# Altium PCB LimeKEY-RPCM_1v0.PcbDoc (part 1 of 8)
Units mm, origin at the board's own origin, x right, y up, seen from the top; angles counter-clockwise.
Board outline 170.15 x 110.15 mm, 6 copper layers (Top, L2, L3, L4, L5, Bottom), stack 1.583 mm thick; 716 components, 436 nets, 3084 pads, 1299 vias.
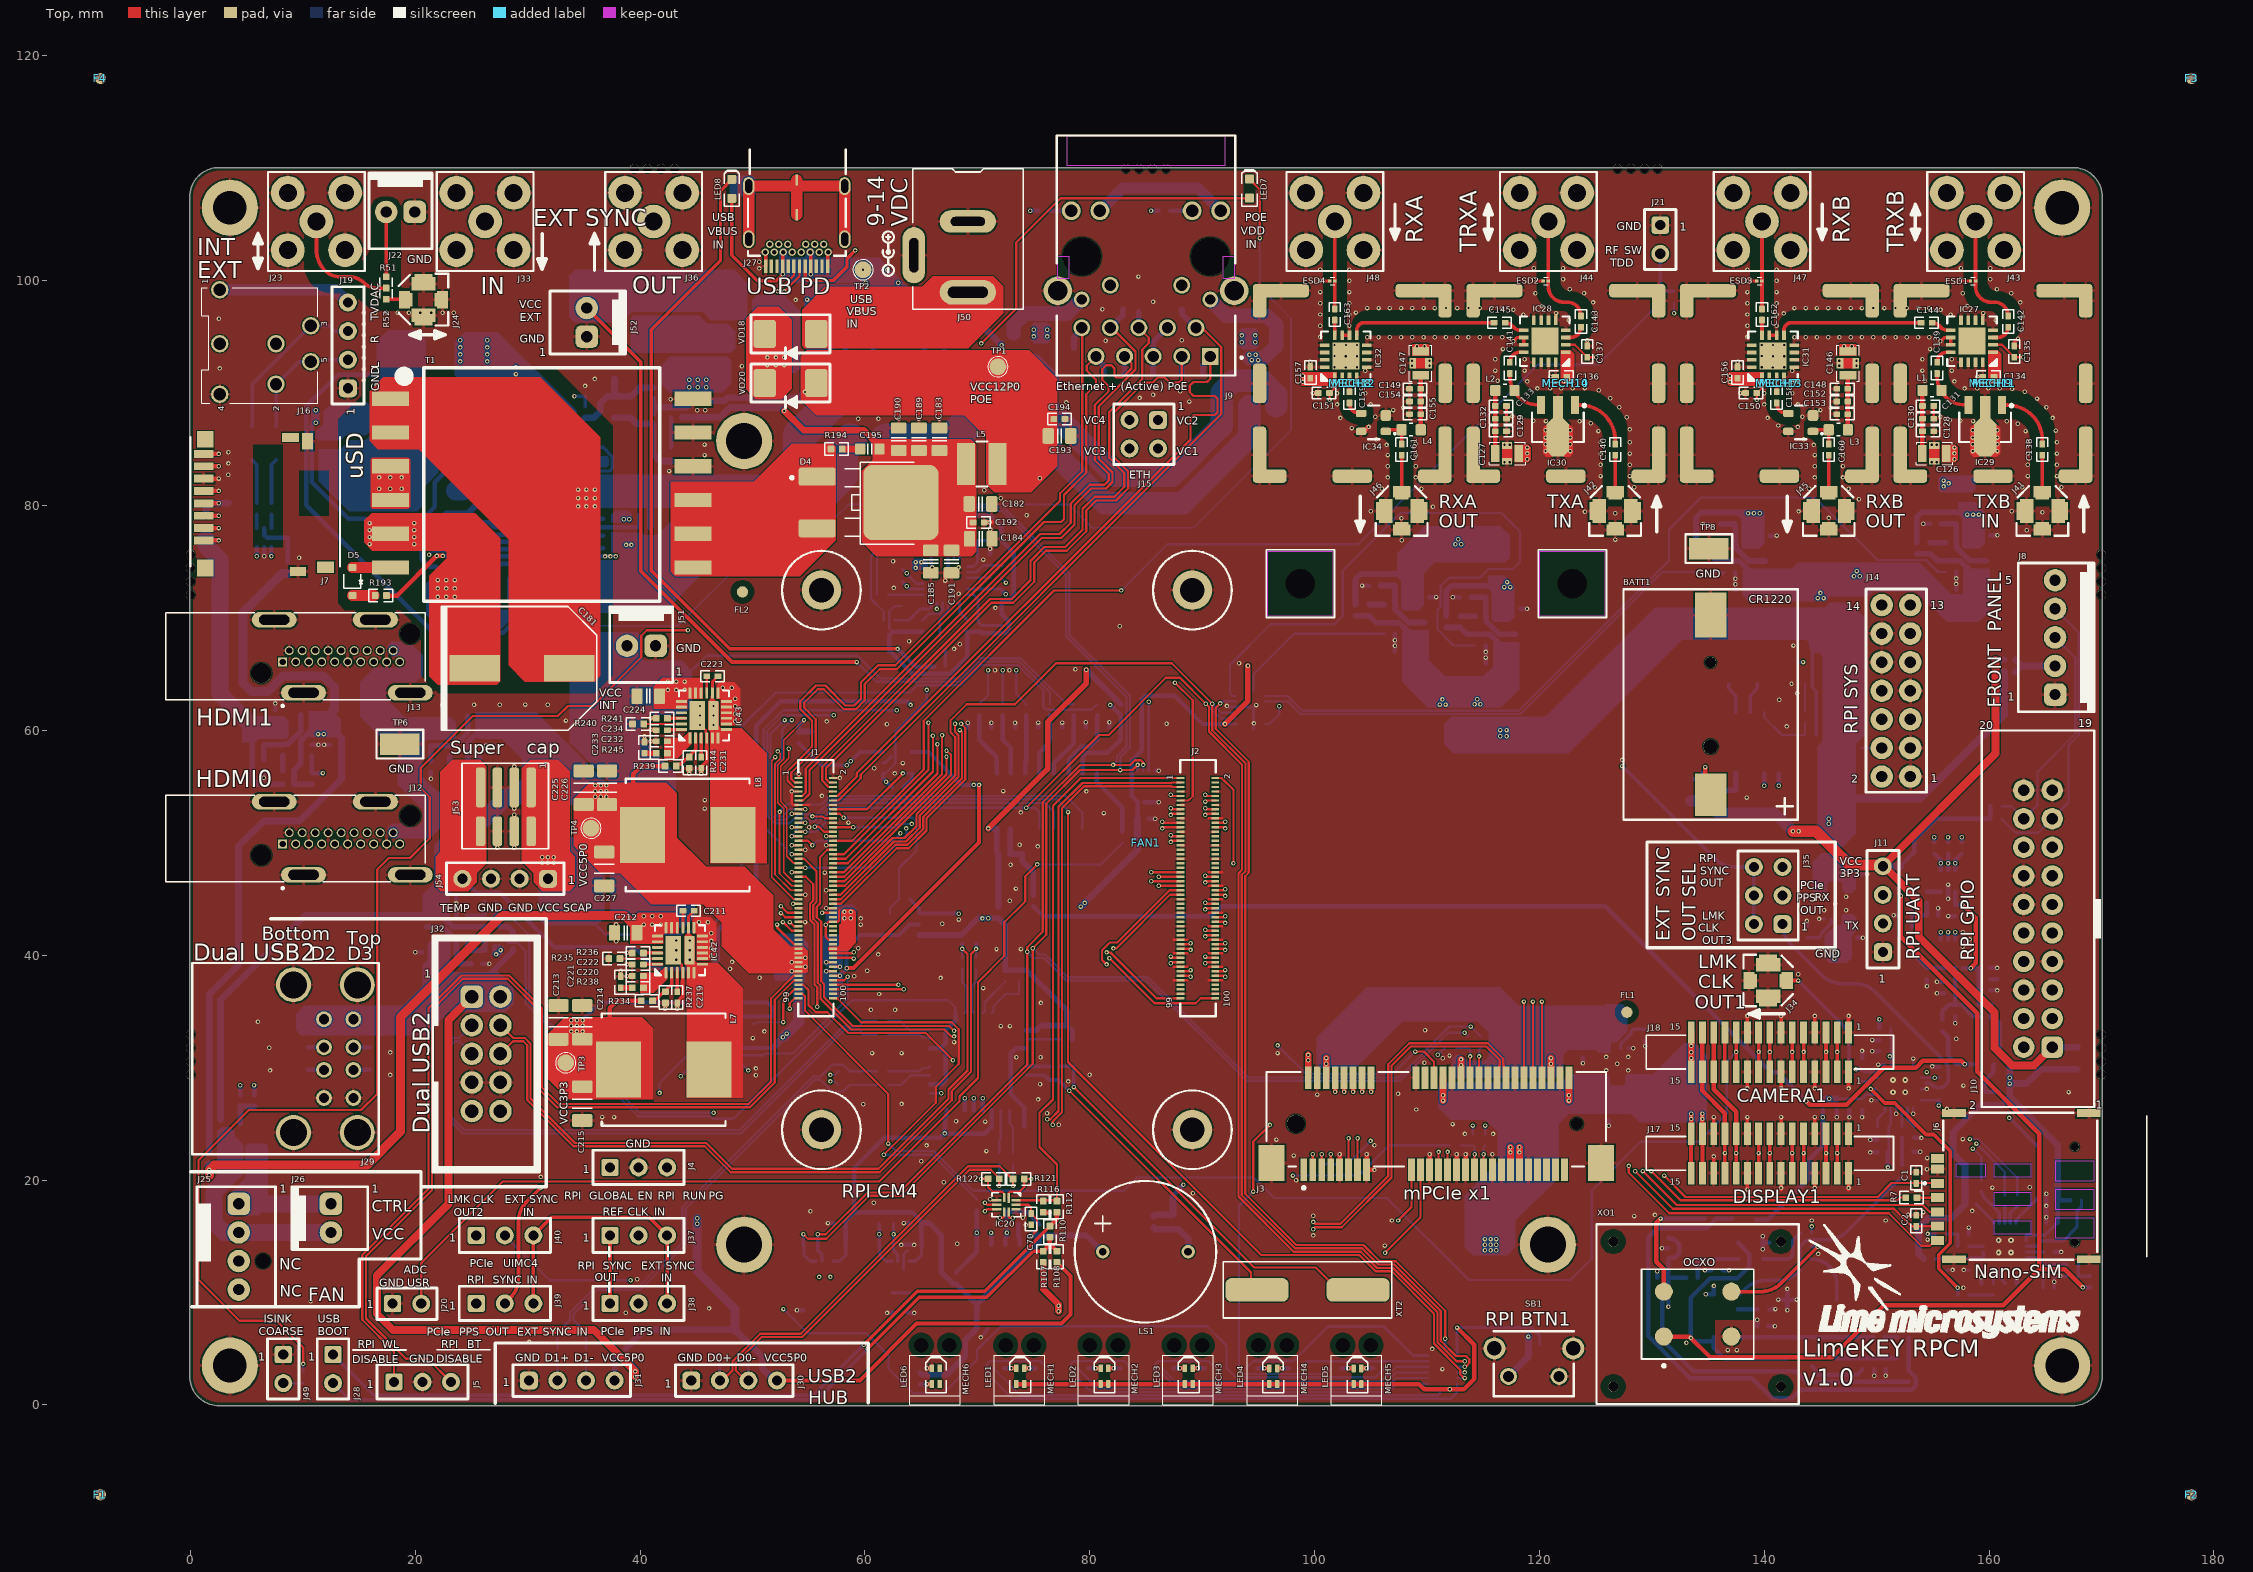
[diagram p0: Top view]
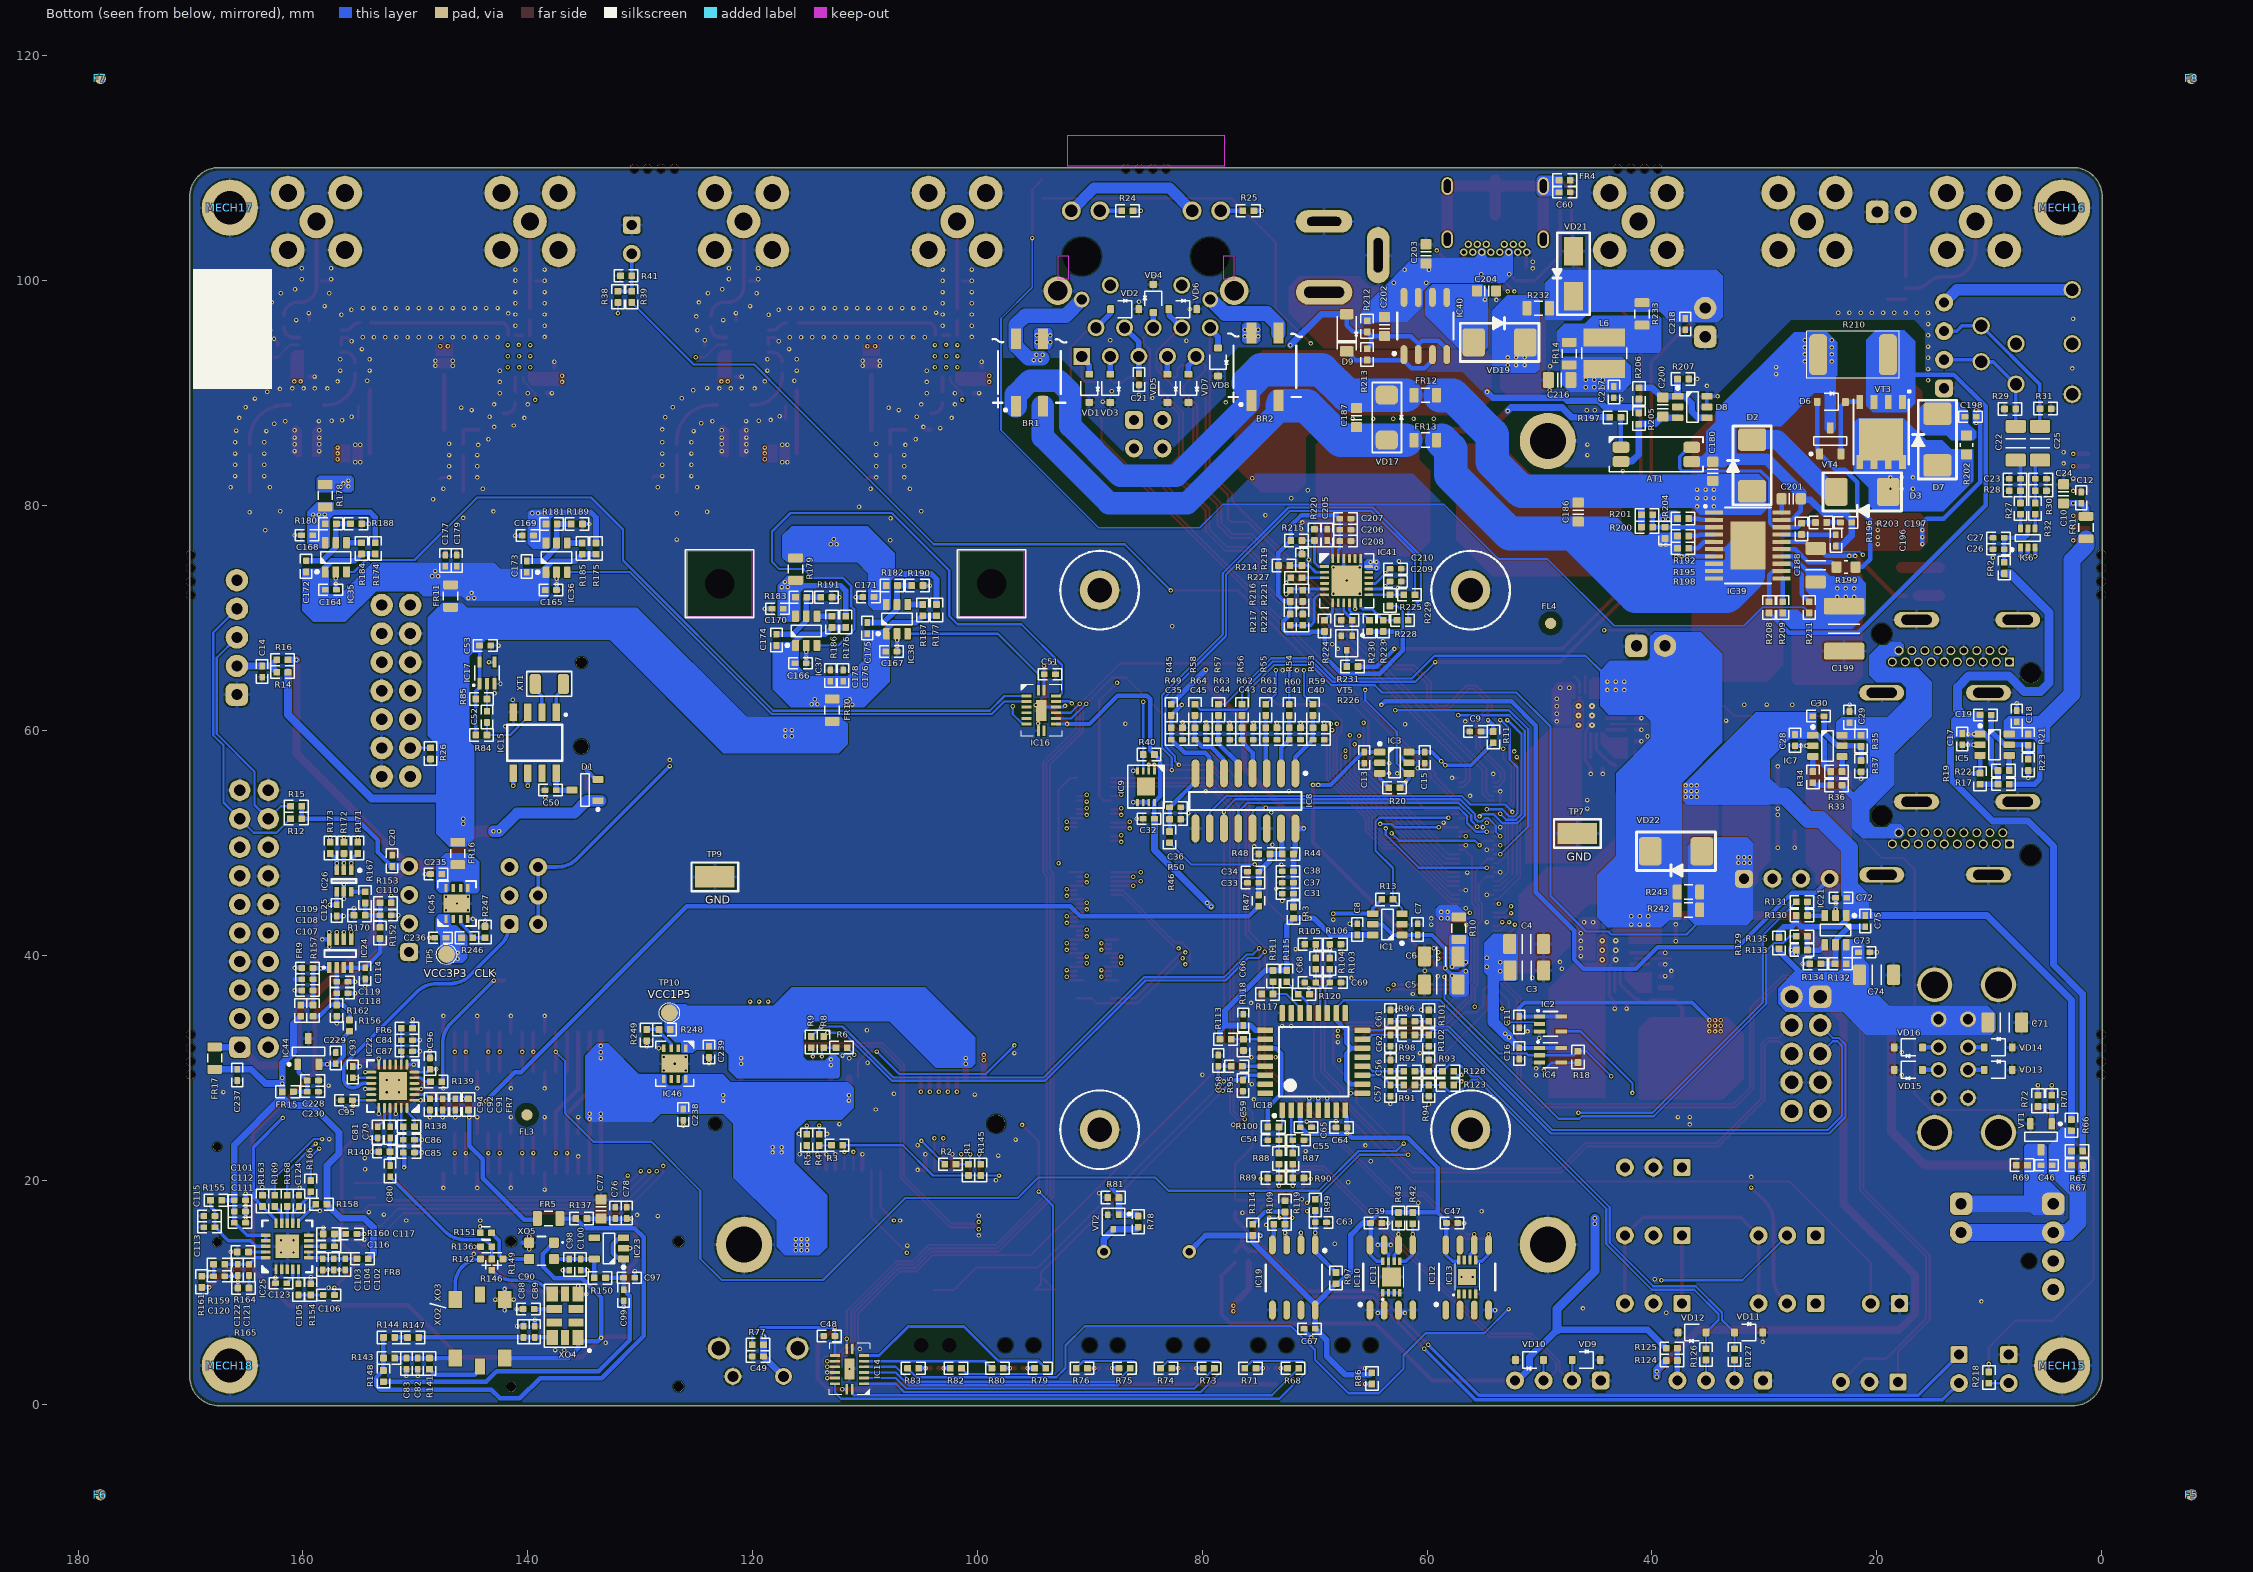
[diagram p1: Bottom view, seen from below]
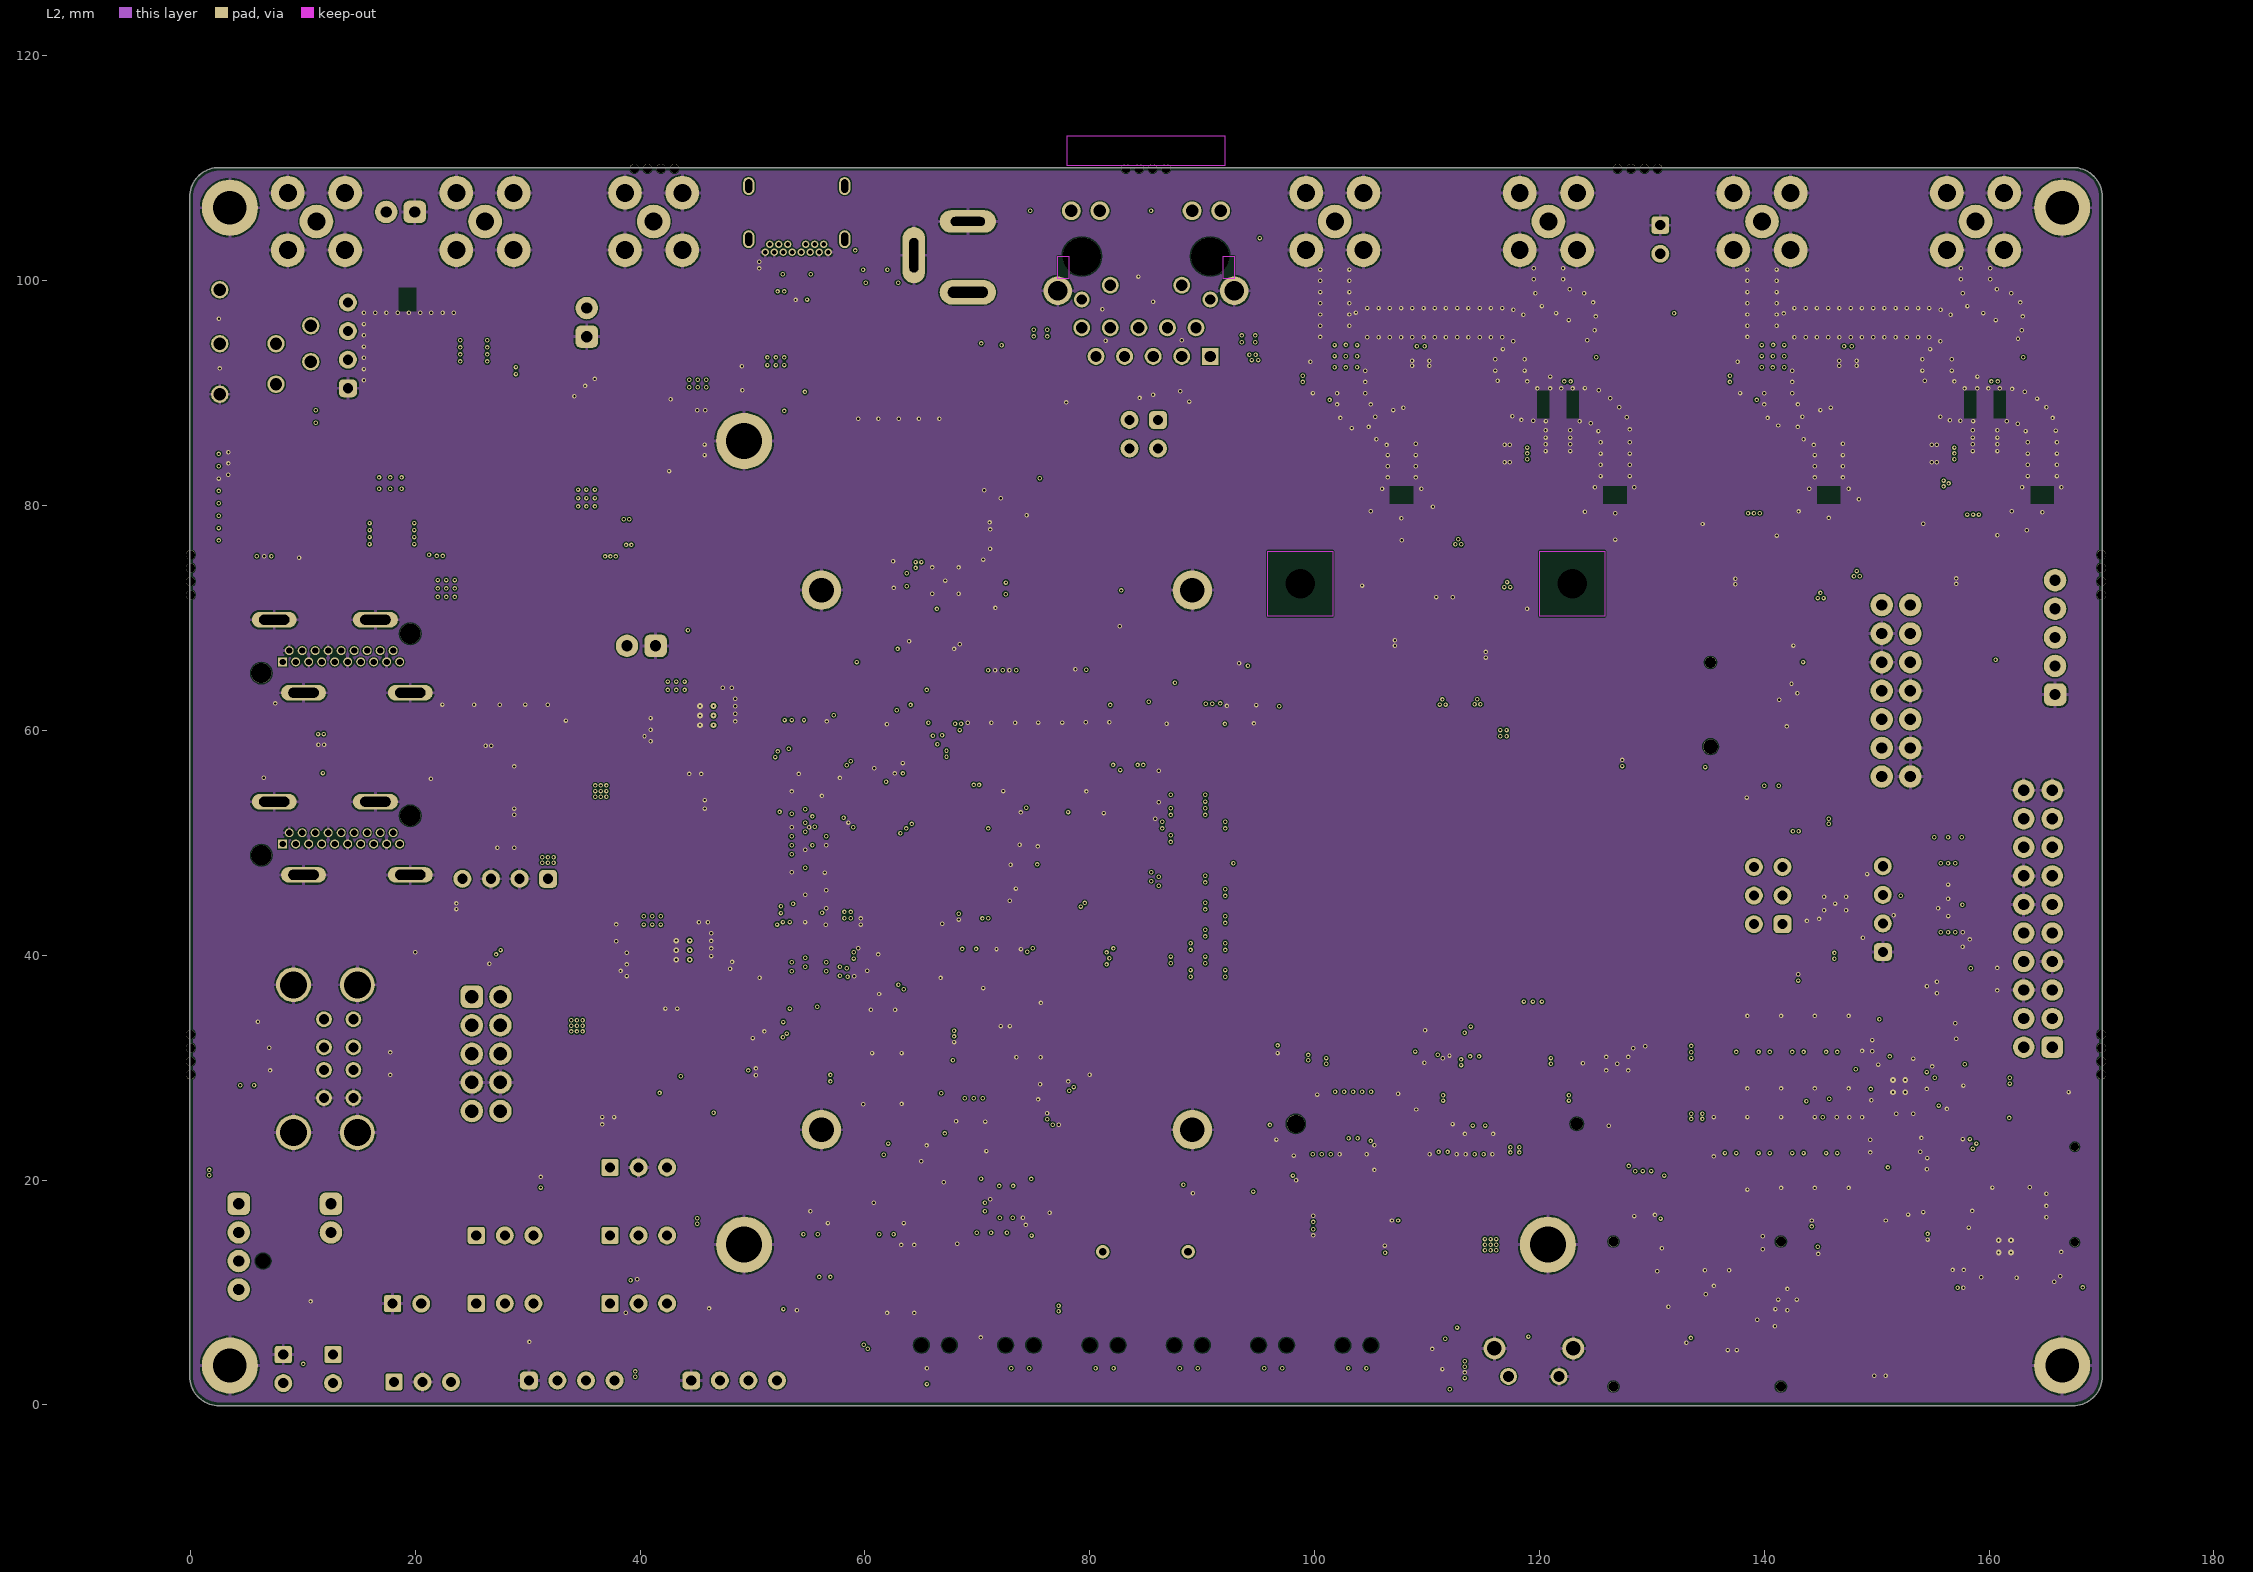
[diagram p2: L2]
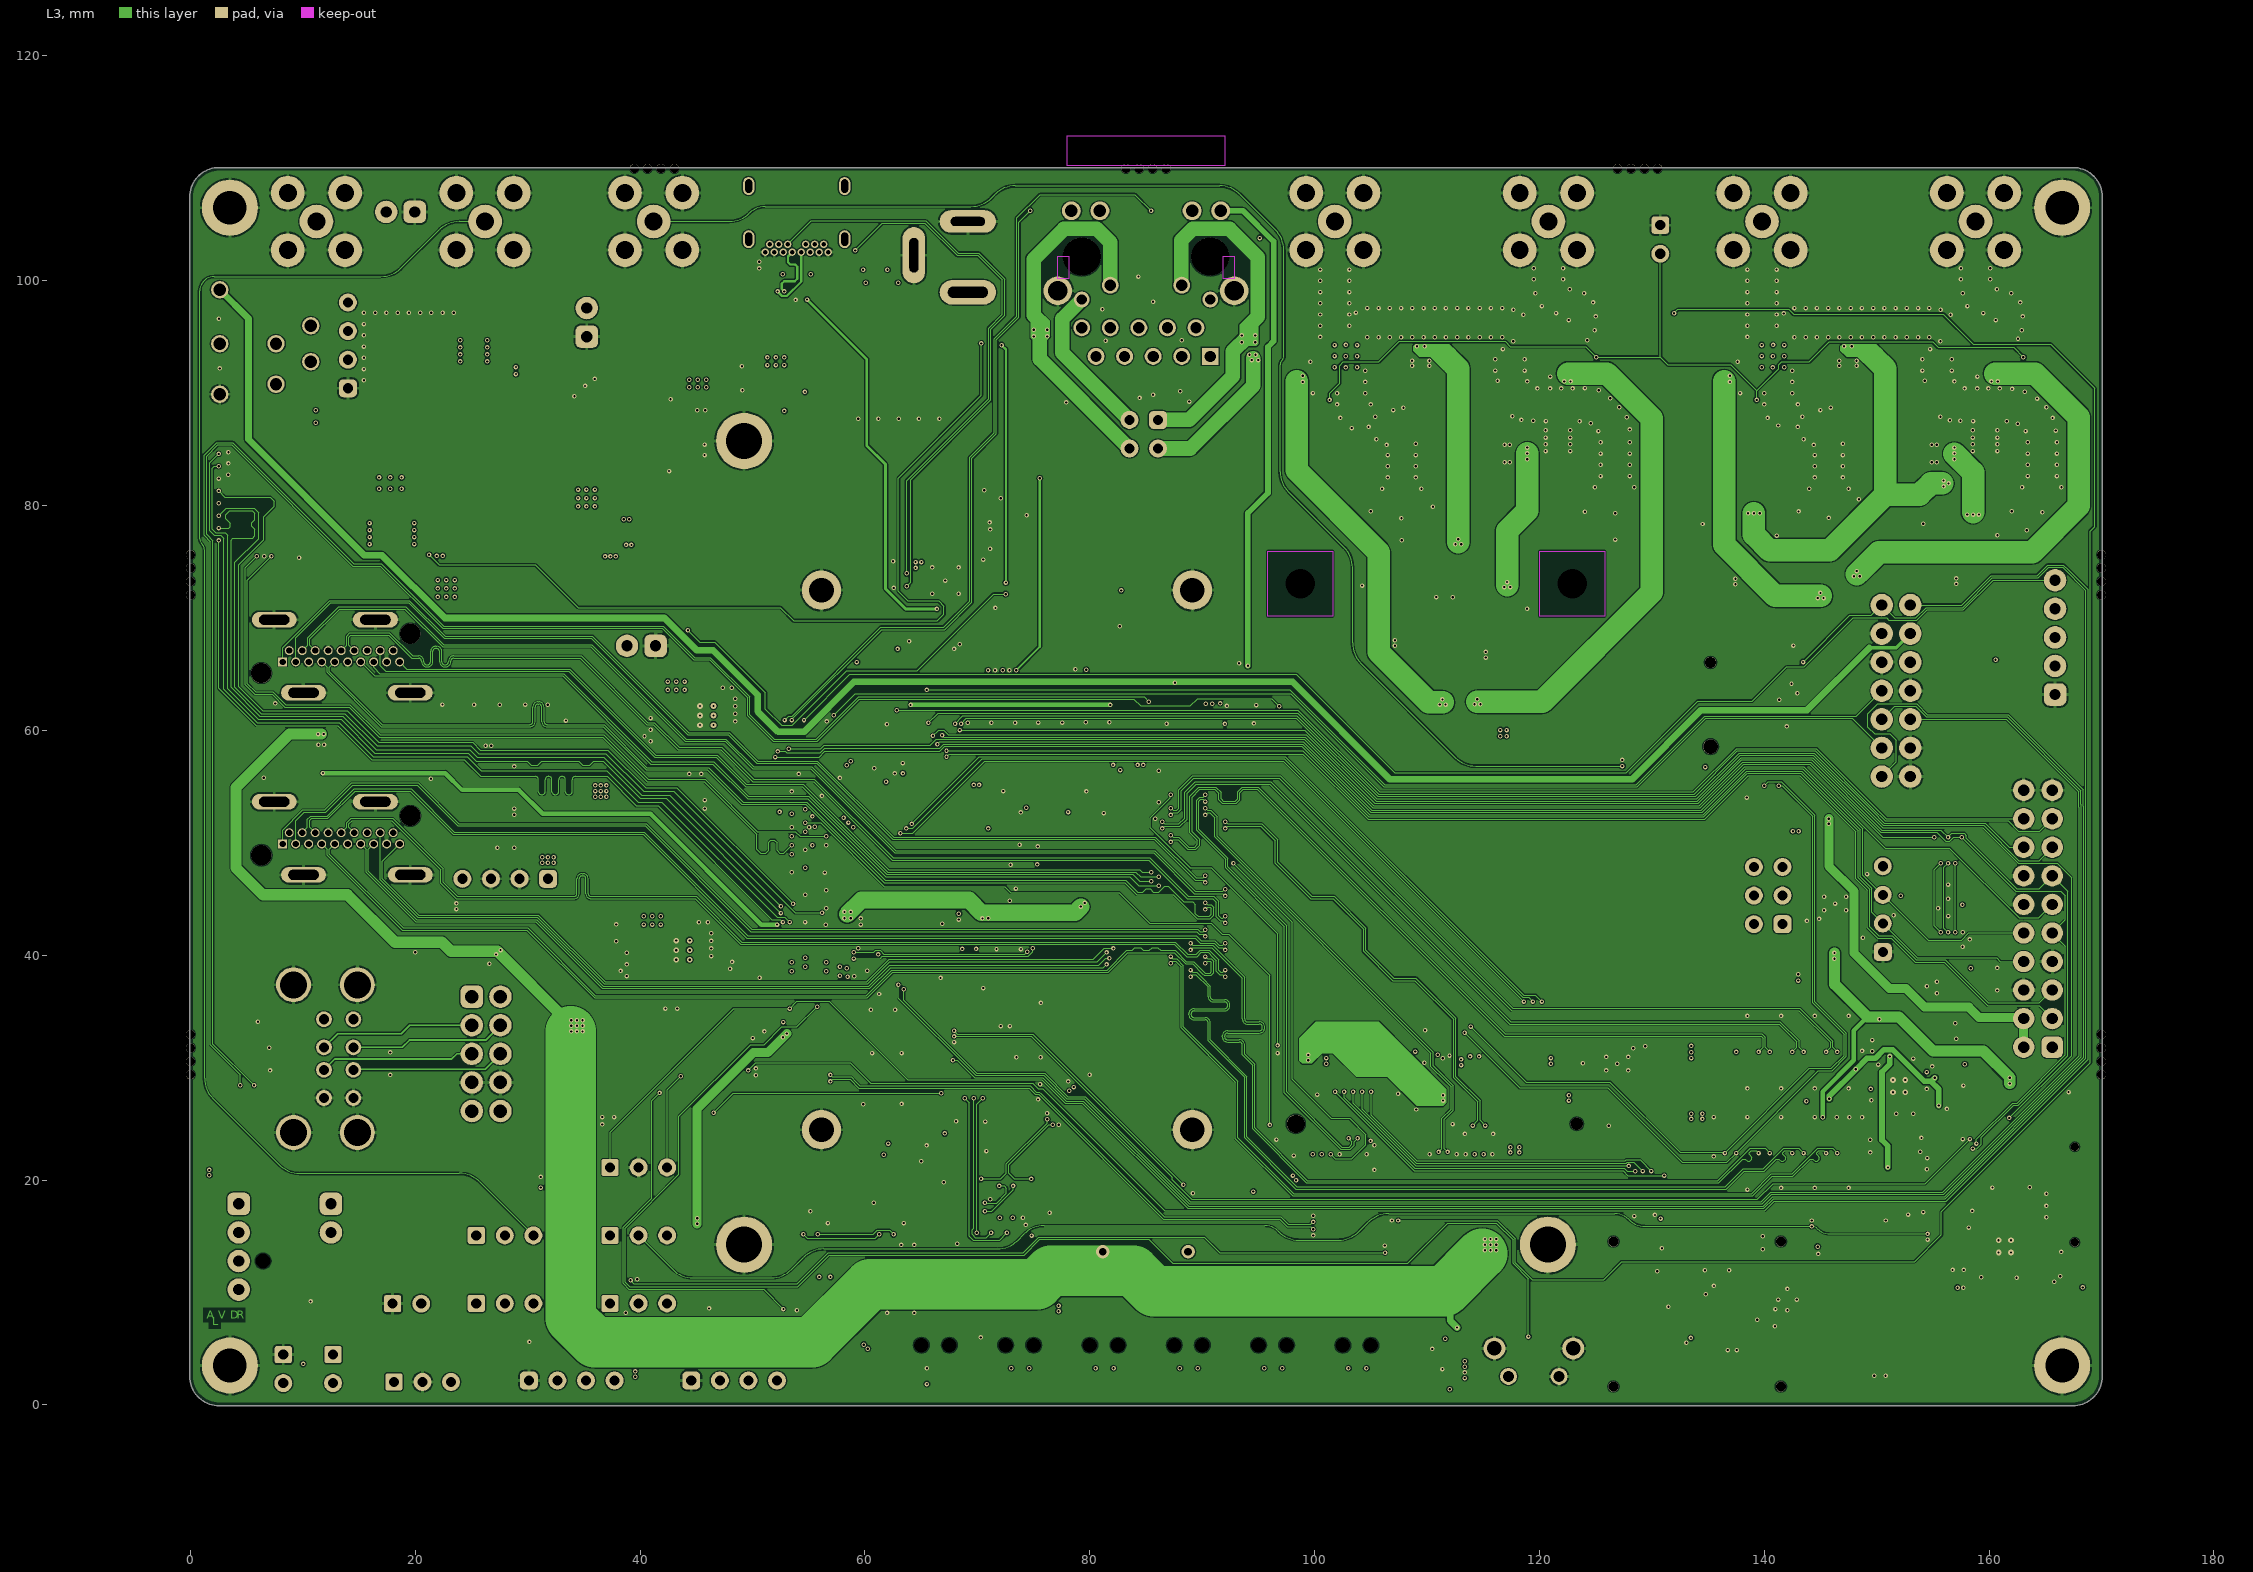
[diagram p3: L3]